# Altium PCB Audio_Research.PcbDoc (part 4 of 4) (continued)
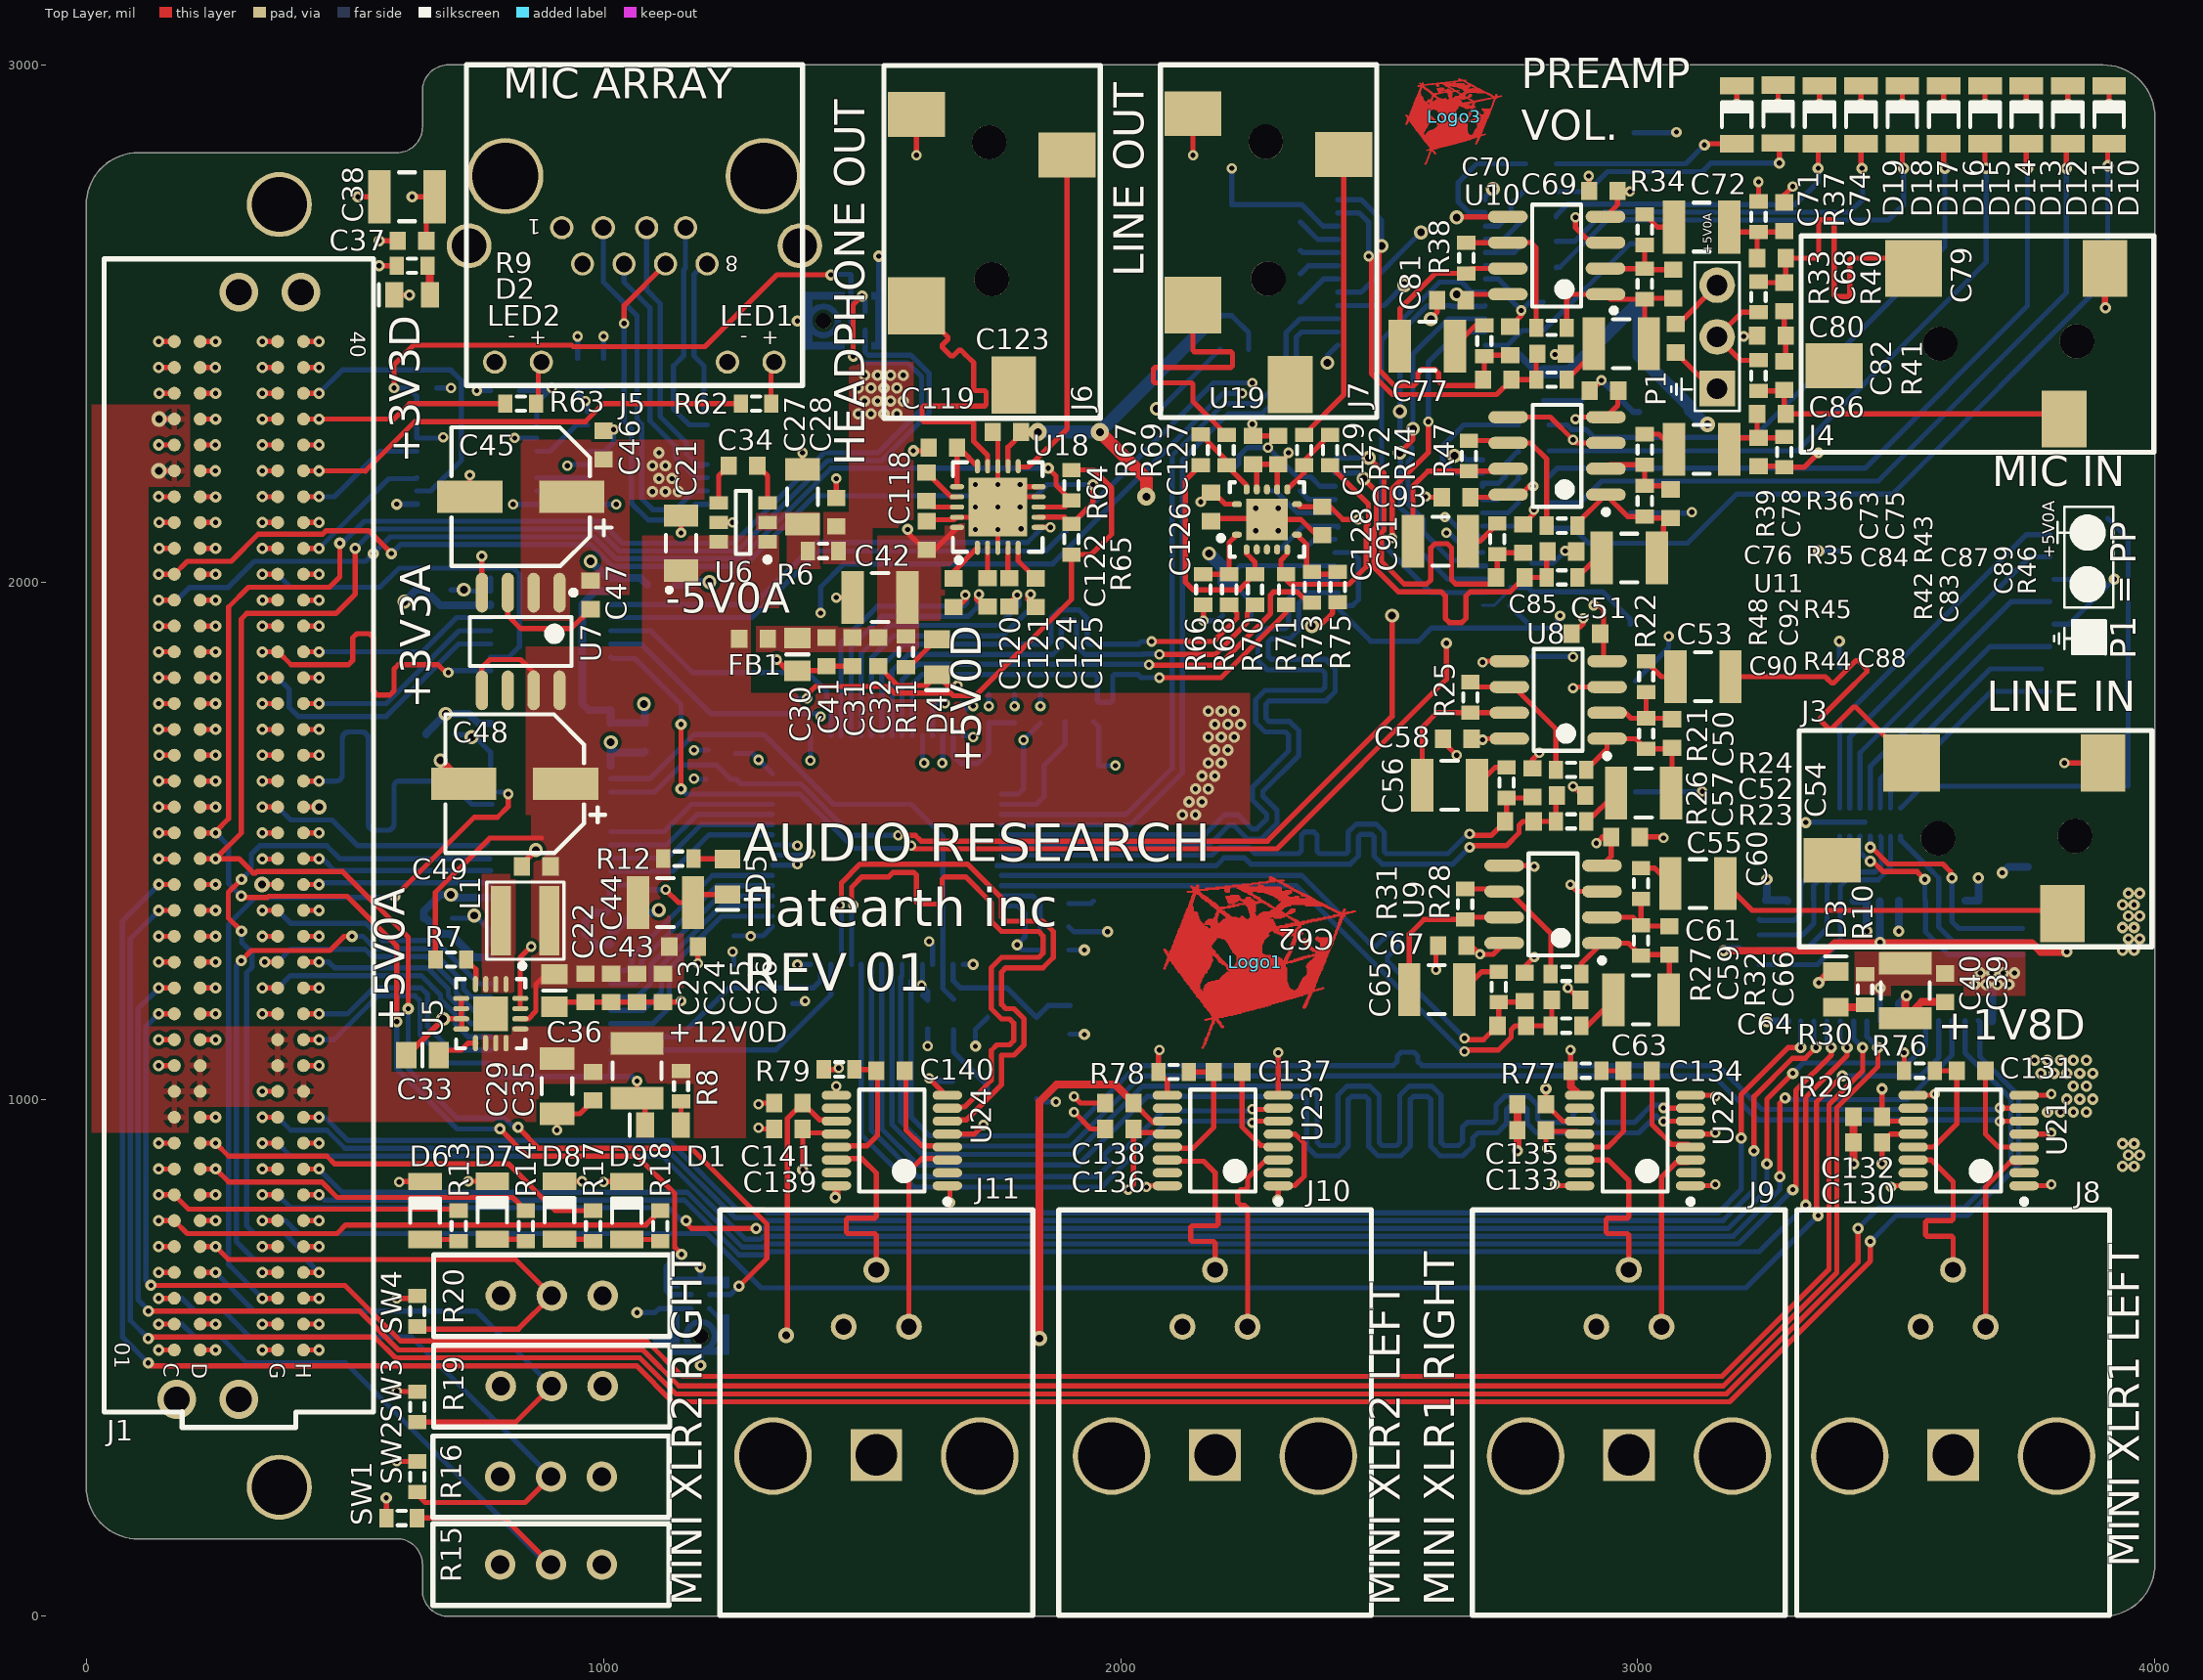
[diagram p0: Top Layer view]
## Nets (pads, with @x,y where several pads share a name; then routed paths per layer and width w, separated by ;. In a path a pad name is that pad's centre, name@x,y a point inside that pad or via, vN(x,y) a via of type N, cw(c..) or ccw(c..) an arc to the next point about the centre after c; other vN are vias at no path point) (continued)
NetR85_1: R85.1 U20.7 U25.10 | length 267.5
  Bottom Layer w10: R85.1@3235.04,1347.56 3237.02,1345.58 3303.02,1345.58 3315.11,1357.67 U25.10@3315.11,1383.14 3315.11,1415.11 3390.63,1490.63 U20.7@3390.63,1508
RIN-: R71.2 R74.2 U19.6 | length 468.8
  Top Layer w10: U19.6@2322.44,2062.87 2322.44,2054.71 2310,2042.27 2310,2015 2329.28,1995.72 2441.36,1995.72 2475,2029.36 2475,2108.2 2479.54,2112.74 2479.54,2150.93 R74.2@2405,2225.47
RJ45_LED1: J1.H35 J2.H35 R62.1 | length 929.6
  Top Layer w10: J1.H35@420,2215 v1(450,2215) 539.37,2215 539.68,2214.68 635,2310 965,2310 1000,2345 R62.1@1265.47,2345
  Bottom Layer w10: J2.H35@420,2215 v1(450,2215)
RJ45_LED2: J1.H37 J2.H37 R63.1 | length 432.9
  Top Layer w10: J1.H37@420,2315 v1(450,2315) 595,2315 625,2345 R63.1@810.47,2345
  Bottom Layer w10: J2.H37@420,2315 v1(450,2315)
SCK: U15.10 U16.7 | length 97.7
  Bottom Layer w10: U16.7@871.14,2176.02 U15.10@968.86,2176.02
SCK_RJ45_n: J5.6 U15.8 | length 689.7
  Top Layer w10: v2(1040,2500) 1040,2534.84 J5.6@1120.16,2615
  Bottom Layer w10: v2(1040,2500) 1040,2310.8 1053.83,2296.97 1053.83,2152.88 1086.72,2120 1147.82,2120 1178.25,2150.43 U15.8@1201.14,2150.43 ; J5.6@1120.16,2599.84 J5.6@1120.16,2615
SCK_RJ45_p: J5.3 U15.7 | length 705.6
  Bottom Layer w10: J5.3@999.68,2685.08 999.68,2580.32 1065,2515 1065,2314.09 1073.83,2305.25 1073.83,2161.17 1095,2140 1139.53,2140 1175.56,2176.02 U15.7@1201.14,2176.02
SCLK: U1.34 U2.6 U13.10 U14.10 | length 2789.2
  Top Layer w10: v3(2540,2250) 2565.51,2275.51 v3(2565.51,2296.42)
  Signal Layer 1 w10: v2(1420,1740) v2(1420,1940)
  Signal Layer 2 w10: v2(2235,2365) 2470,2365 2505,2330 2505,2285 v3(2540,2250)
  Bottom Layer w10: U2.6@1013.89,1880.13 1072.21,1880.13 1206.62,1745.71 1414.29,1745.71 v2(1420,1740) ; v2(1420,1940) 1420,1990 1465,2035 1868.79,2035 2198.79,2365 v2(2235,2365) ; v3(2540,2250) 2541.01,2248.99 2541.01,2144.34 2556.64,2128.71 2556.64,2081.64 2633.01,2005.28 U13.10@2705.91,2005.28 ; v3(2565.51,2296.42) 2565.51,2440.74 2633.87,2509.09 U14.10@2705.43,2509.09
SD: U15.15 U16.4 | length 118.9
  Bottom Layer w10: U16.4@871.14,2252.8 896.48,2252.8 947.66,2303.98 U15.15@968.86,2303.98
SD_CD: J1.G6 J2.G6 U26.5 | length 3714.5
  Top Layer w10: v1(340.24,765) J1.G6@370,765 ; v1(3349,775) 3346,778 3346,995.31 v1(3395.69,1045)
  Bottom Layer w10: v1(340.24,765) J2.G6@370,765 385,765 410,740 1200,740 1305,635 1350,635 3150,635 3209,635 v1(3349,775) ; v1(3395.69,1045) 3546.58,1045 3582.2,1080.62 U26.5@3582.2,1151.65
SD_CLK: J1.G7 J2.G7 U26.6 | length 3573.2
  Top Layer w10: v1(340.24,815) J1.G7@370,815 ; v1(1160,765) 1160,760 1170,750 v1(1295,750) ; v1(3250,875) 3250,1000 v1(3300,1050)
  Bottom Layer w10: v1(340.24,815) J2.G7@370,815 395,790 1126,790 1151,765 v1(1160,765) ; v1(1295,750) 3175,750 3250,825 v1(3250,875) ; v1(3300,1050) 3320,1070 3523.28,1070 3556.61,1103.33 U26.6@3556.61,1151.65
SD_CMD: J1.G9 J2.G9 U26.4 | length 3690.1
  Top Layer w10: v1(340,915) J1.G9@370,915 ; v1(3275,850) 3275,992.56 v1(3285,1002.56)
  Bottom Layer w10: v1(340,915) J2.G9@370,915 395,890 1113.64,890 1274.64,729 1303.7,729 1309.7,735 3185,735 3275,825 v1(3275,850) ; v1(3285,1002.56) 3288.56,999 3521.8,999 3607.8,1085 U26.4@3607.8,1151.65
SD_DAT0: J1.G10 J2.G10 U25.6 | length 3414.2
  Top Layer w10: v1(340.24,965) J1.G10@370,965 ; v1(3225,900) 3225,1005 3299,1079 3324,1079 v1(3345,1100)
  Bottom Layer w10: v1(340.24,965) J2.G10@370,965 395,940 465,940 500,905 1119.85,905 1253.85,771 1303.7,771 1309.7,765 3165,765 3225,825 v1(3225,900) ; U25.6@3340.7,1150.86 3340.7,1104.3 v1(3345,1100)
SD_DAT1: J1.H10 J2.H10 U25.7 | length 3292.5
  Top Layer w10: J1.H10@420,965 v1(449.76,965) ; v1(3200,925) 3200,1008.74 3291.26,1100 v1(3315,1100)
  Bottom Layer w10: J2.H10@420,965 v1(449.76,965) 461.21,965 506.21,920 1126.07,920 1260.07,786 1309.91,786 1315.91,780 3155,780 3200,825 v1(3200,925) ; v1(3315,1100) 3315.11,1100.11 U25.7@3315.11,1150.86
SD_DAT2: J1.H7 J2.H7 U25.4 | length 3417.2
  Top Layer w10: J1.H7@420,815 v1(450,815) ; v1(3325,795) 3325,1004.01 3405,1084.01 v1(3405,1100)
  Bottom Layer w10: J2.H7@420,815 v1(450,815) 460,805 1156.21,805 1262.21,699 1316.12,699 1322.12,705 3235,705 v1(3325,795) ; U25.4@3391.88,1150.86 3391.88,1113.12 v1(3405,1100)
SD_DAT3: J1.H8 J2.H8 U25.5 | length 3378.3
  Top Layer w10: J1.H8@420,865 v1(449.76,865) ; v1(3300,825) 3306,831 3306,1017 3374.36,1085.36 v1(3374.36,1100.11)
  Bottom Layer w10: J2.H8@420,865 v1(449.76,865) 494.76,820 1162.43,820 1268.43,714 1309.91,714 1315.91,720 3195,720 v1(3300,825) ; U25.5@3366.29,1150.86 3366.29,1108.18 v1(3374.36,1100.11)
SD_RJ45_n: J5.8 R61.2 U15.1 | length 330
  Bottom Layer w10: J5.8@1189.09,2603.62 J5.8@1200.47,2615 1195,2615 1175,2595 1175,2437.24 1194.53,2417.72 R61.2@1194.53,2395 1194.53,2329.57 U15.1@1201.14,2329.57
SD_RJ45_p: J5.7 R61.1 U15.2 | length 440.4
  Bottom Layer w10: J5.7@1160,2683.82 J5.7@1158.74,2685.08 1158.74,2607.02 1155,2603.28 1155,2437.24 1135.47,2417.72 R61.1@1135.47,2395 1135.47,2334.39 1165.89,2303.98 U15.2@1201.14,2303.98
SDCD: R86.1 U20.1 U26.12 | length 379.6
  Bottom Layer w10: U20.1@3508.74,1508 3508.74,1501.26 3564,1446 3564.05,1446 3582.2,1427.85 U26.12@3582.2,1383.94 3582.2,1332.8 3610,1305 3744.21,1305 R86.1@3744.54,1304.68
SDI: U1.30 U2.7 U13.8 | length 2377
  Top Layer w10: v1(1150,1600) v1(1150,1725) ; v2(1595,1490) 1601,1484 2302.34,1484 2630,1811.66 v1(2630,1881.65)
  Signal Layer 1 w10: v1(2630,1881.65) v2(2630,2095)
  Bottom Layer w10: U2.7@1013.89,1854.54 1016.5,1851.93 1061.18,1851.93 1150,1763.11 v1(1150,1725) ; v1(1150,1600) 1160.02,1589.98 U1.30@1326.81,1589.98 1380.02,1589.98 1485,1485 1595,1485 v2(1595,1490) ; v2(2630,2095) 2635,2095 2672.95,2057.05 U13.8@2700,2057.05
SDO: R5.2 U1.31 U4.4 U14.11 | length 2542
  Top Layer w10: v2(1570,1510) 1603.28,1510 1614.28,1499 2284,1499 2525,1740 v3(2525,1935) ; v2(2525,2085) 2525,2180 2595,2250 v2(2595,2310)
  Signal Layer 1 w10: v3(2525,1935) v2(2525,2085)
  Bottom Layer w10: U4.4@1013.89,1593.98 1098.98,1593.98 1151,1646 1219,1646 1246.72,1618.28 R5.2@1256.81,1618.28 1265.42,1609.67 U1.31@1326.81,1609.67 1381.55,1609.67 1481.21,1510 v2(1570,1510) ; v2(2595,2310) 2595,2425 2653.5,2483.5 U14.11@2705.43,2483.5
SDO_1: U13.11 U14.8 | length 888.2
  Bottom Layer w10: U14.8@2705.43,2560.28 2679.3,2560.28 2659.73,2579.84 2616.93,2579.84 2505,2467.91 2505,2075 2600.31,1979.69 U13.11@2705.91,1979.69
SPI_FPGA.CCLK_FPGA: J1.G31 J2.G31 U2.18 | length 762.3
  Top Layer w10: v1(340,2015) J1.G31@370,2015
  Bottom Layer w10: v1(340,2015) J2.G31@370,2015 395,1990 567.99,1990 604.93,2026.94 825.5,2026.94 837.56,2014.88 837.56,1875.32 816.77,1854.54 U2.18@781.6,1854.54
SPI_FPGA.CIN_FPGA: J1.G28 J2.G28 U2.17 | length 699
  Top Layer w10: v1(340,1865) J1.G28@370,1865 371.1,1865 396.1,1840 495,1840 507,1840 515,1848 515,1892 523,1900 547,1900 555,1892 555,1840 555,1789.35 563,1781.35 587,1781.35 595,1789.35 595,1832 603,1840 667.5,1840 680,1840 695,1825 v2(700,1825)
  Bottom Layer w10: v1(340,1865) J2.G28@370,1865 ; v2(700,1825) 703.95,1828.95 U2.17@781.6,1828.95
SW1: J1.C2 J2.C2 R15.1 SW1.2 | length 1277.4
  Top Layer w10: v1(140,565) J1.C2@170,565 ; R15.1@639.53,190 808.43,190 SW1.2@898.43,100
  Bottom Layer w10: v1(140,565) J2.C2@170,565 185,565 210,540 260,540 310,490 501.57,490 SW1.2@896.57,95
SW2: J1.C3 J2.C3 R16.1 SW2.2 | length 1223.7
  Top Layer w10: v1(140,615) J1.C3@170,615 ; R16.1@635,240 655,220 848.43,220 SW2.2@898.43,270
  Bottom Layer w10: v1(140,615) J2.C3@170,615 185,615 210,590 266.5,590 316.5,540 628.43,540 SW2.2@898.43,270
SW3: J1.D4 J2.D4 R19.1 SW3.2 | length 1093.5
  Top Layer w10: J1.D4@220,665 v1(250,665) ; R19.1@640,375.47 830.47,375.47 SW3.2@900,445
  Bottom Layer w10: J2.D4@220,665 v1(250,665) ; v1@247.5,667.5 325,590 755,590 SW3.2@900,445
SW4: J1.D5 J2.D5 R20.1 SW4.2 | length 1036.1
  Top Layer w10: J1.D5@220,715 v1(250,715) 275,690 830,690 SW4.2@900,620 835.47,555.47 R20.1@640,555.47
  Bottom Layer w10: J2.D5@220,715 v1(250,715)
uSD_CD: J12.9 U20.16 | length 991.3
  Bottom Layer w10: U20.16@3508.74,1563.12 3550.78,1605.16 J12.9@3948.62,1605.16 3948.62,2083.5 J12.9@3909.25,2122.87
uSD_CLK: J12.5 U20.12 | length 594.8
  Bottom Layer w10: U20.12@3430,1563.12 3430,1670 3721.85,1961.85 J12.5@3797.05,1961.85
uSD_CMD: J12.3 U20.13 | length 523.3
  Bottom Layer w10: U20.13@3449.69,1563.12 3449.69,1642.69 3682.24,1875.24 J12.3@3797.05,1875.24
uSD_DAT0: J12.7 U20.11 | length 668.1
  Bottom Layer w10: U20.11@3410.32,1563.12 3410.32,1700.32 3758.46,2048.46 J12.7@3797.05,2048.46
uSD_DAT1: J12.8 U20.10 | length 723.5
  Bottom Layer w10: U20.10@3390.63,1563.12 3390.63,1730.63 3751.77,2091.77 J12.8@3797.05,2091.77
uSD_DAT2: J12.1 U20.15 | length 419.5
  Bottom Layer w10: U20.15@3489.06,1563.12 3489.06,1594.06 3683.62,1788.62 J12.1@3797.05,1788.62
uSD_DAT3: J12.2 U20.14 | length 456.2
  Bottom Layer w10: U20.14@3469.37,1563.12 3469.37,1619.37 3681.93,1831.93 J12.2@3781.3,1831.93
WS: U15.11 U16.6 | length 97.7
  Bottom Layer w10: U16.6@871.14,2201.61 U15.11@968.86,2201.61
WS_RJ45_n: J5.5 U15.5 | length 526.9
  Bottom Layer w10: J5.5@1083.54,2685.08 1083.54,2564.74 1109.83,2538.45 1109.83,2320.17 1160,2270 1160,2248.57 1181.36,2227.2 U15.5@1201.14,2227.2 ; U15.5@1183.57,2225 U15.5@1192.28,2225
WS_RJ45_p: J5.4 U15.6 | length 493.4
  Bottom Layer w10: J5.4@1039.84,2615 1039.84,2580.16 1089.83,2530.17 1089.83,2311.88 1140,2261.72 1140,2240.28 1178.67,2201.61 U15.6@1201.14,2201.61
XLR1_DSDATA: U1.18 U3.8 | length 442.8
  Bottom Layer w10: U3.8@1013.89,1146.3 1096.3,1146.3 1127.26,1177.26 1127.26,1252.26 1228.76,1353.76 U1.18@1326.81,1353.76
XLR2_DSDATA: U1.15 U3.9 | length 482.2
  Bottom Layer w10: U3.9@1013.89,1120.71 1148.23,1120.71 1242.52,1215 1405.55,1215 1420.11,1229.56 U1.15@1420.11,1260.46
XLR_1_OUT.XLR_1_OUT_L_N: U1.7 U21.6 | length 2593.3
  Top Layer w10: v2(3700,957) 3700.5,957.5 U21.6@3747.28,957.5
  Bottom Layer w10: U1.7@1577.27,1260.46 1577.27,1238.84 1575,1236.57 1575,956.72 1622.57,909.14 1856.14,909.14 1870,909.14 1904.14,909.14 2040,1045 3146.72,1045 3231.72,960 3697,960 v2(3700,957) v2@3696.3,957
XLR_1_OUT.XLR_1_OUT_L_P: U1.6 U21.7 | length 2589.6
  Top Layer w10: v2(3700,983) 3700.5,982.5 U21.7@3747.28,982.5
  Bottom Layer w10: U1.6@1597.27,1260.46 1597.27,1230.56 1595,1228.28 1595,965 1630.86,929.14 1808.14,929.14 1870,929.14 1895.86,929.14 2031.72,1065 2515,1065 2527,1065 2535,1073 2535,1082.95 2543,1090.95 2567,1090.95 2575,1082.95 2575,1073 2583,1065 2600,1065 3155,1065 3240,980 3697,980 v2(3700,983)
XLR_1_OUT.XLR_1_OUT_R_N: U1.9 U22.6 | length 2588.8
  Top Layer w10: v2(3050,957) 3050.5,957.5 U22.6@3102.28,957.5
  Bottom Layer w10: U1.9@1537.9,1260.46 1537.9,942.9 1607.66,873.14 1919.05,873.14 2050.91,1005 2353.86,1005 2360,998.86 2360,908.26 2377.86,890.4 2422.14,890.4 2440,908.26 2440,998.86 2446.14,1005 2473.86,1005 2480,998.86 2480,908.26 2497.86,890.4 2542.14,890.4 2560,908.26 2560,998.86 2566.14,1005 2593.86,1005 2600,998.86 2600,908.26 2617.86,890.4 2662.14,890.4 2681.3,909.56 2681.3,925 2691.3,935 2728.44,935 2746.3,952.86 2746.3,980.19 2752.44,986.34 2780.16,986.34 2786.3,980.19 2786.3,952.86 2804.16,935 3002,935 3035.15,968.15 3046.3,957 v2(3050,957)
XLR_1_OUT.XLR_1_OUT_R_P: U1.8 U22.7 | length 2588.8
  Top Layer w10: v2(3050,983) 3050.5,982.5 U22.7@3102.28,982.5
  Bottom Layer w10: U1.8@1557.9,1260.46 1557.9,951.18 1615.95,893.14 1910.77,893.14 2042.63,1025 2362.14,1025 2380,1007.14 2380,916.55 2386.14,910.4 2413.86,910.4 2420,916.55 2420,1007.14 2437.86,1025 2482.14,1025 2500,1007.14 2500,916.55 2506.14,910.4 2533.86,910.4 2540,916.55 2540,1007.14 2557.86,1025 2602.14,1025 2620,1007.14 2620,916.55 2626.14,910.4 2653.86,910.4 2661.3,917.85 2661.3,945.8 2670.5,955 2691.3,955 2720.16,955 2726.3,961.14 2726.3,988.48 2744.16,1006.34 2788.44,1006.34 2806.3,988.48 2806.3,961.14 2812.44,955 2855,955 2867,955 2875,963 2875,970.52 2883,978.52 2907,978.52 2915,970.52 2915,963 2923,955 2930,955 2993.72,955 3026.87,988.15 3044.85,988.15 v2(3050,983)
XLR_1_OUT_DSDATA_FPGA: J1.G15 J2.G15 U3.16 | length 546.8
  Top Layer w10: v1(340,1215) J1.G15@370,1215
  Bottom Layer w10: v1(340,1215) J2.G15@370,1215 370.83,1215 394.84,1239.02 647.52,1239.02 685,1201.53 685,1193.23 713.5,1164.73 713.5,1145.27 738.06,1120.71 U3.16@781.6,1120.71
XLR_2_OUT.XLR_2_OUT_L_N: U1.11 U23.6 | length 1233.9
  Top Layer w10: v2(2255,954.5) 2258,957.5 2302.5,957.5 U23.6@2305,955
  Bottom Layer w10: U1.11@1498.53,1260.46 1498.53,931.36 1599.89,830 1962.93,830 1984.14,851.21 1992.63,859.69 2090.43,957.5 2252,957.5 v2(2255,954.5)
XLR_2_OUT.XLR_2_OUT_L_P: U1.10 U23.7 | length 1232.7
  Top Layer w10: v2(2255,980.5) 2255.5,980 U23.7@2305,980
  Bottom Layer w10: U1.10@1518.53,1260.46 1518.53,939.64 1608.18,850 1954.65,850 1970,865.35 1978.49,873.84 1978.49,878.08 1968.2,888.36 1968.2,892.61 1985.17,909.58 1989.41,909.58 1999.7,899.29 2003.94,899.29 2032.53,927.88 2082.15,977.5 2252,977.5 v2(2255,980.5)
XLR_2_OUT.XLR_2_OUT_R_N: U1.13 U24.6 | length 1232.2
  Top Layer w10: v2(1457,1375) 1460,1378 1460,1418.28 1496.22,1454.51 1660,1454.51 1680,1454.51 1703.78,1454.51 1770,1388.28 1770,1352.28 1778.14,1344.14 1850.14,1344.14 1870,1324.28 1870,1274 1850.14,1254.14 1778.14,1254.14 1770,1246 1770,1183.14 1778.14,1175 1793.63,1175 1813.49,1155.14 1813.49,1104.86 1793.63,1085 1770,1085 1770,1028.17 1712.69,970.86 1701.83,960 U24.6@1665,960
  Bottom Layer w10: v2(1457,1375) 1460,1372 U1.13@1460,1260.46
XLR_2_OUT.XLR_2_OUT_R_P: U1.12 U24.7 | length 1233.4
  Top Layer w10: v2(1483,1375) 1480,1378 1480,1410 1500,1430 1530,1430 1551.49,1430 1555,1433.51 1560,1438.51 1600,1438.51 1605,1433.51 1605,1430 1605,1382.2 1610,1377.2 1650,1377.2 1655,1382.2 1655,1425 1660,1430 1680,1430 1700,1430 1750,1380 1750,1344 1769.86,1324.14 1841.86,1324.14 1850,1316 1850,1282.28 1841.86,1274.14 1769.86,1274.14 1750,1254.28 1750,1174.86 1769.86,1155 1785.35,1155 1793.49,1146.86 1793.49,1113.14 1785.35,1105 1760.86,1105 1750,1094.14 1750,1036.46 1698.54,985 U24.7@1665,985
  Bottom Layer w10: U1.12@1480,1260.46 1480,1372 v2(1483,1375)
XLR_2_OUT_DSDATA_FPGA: J1.H14 J2.H14 U3.15 | length 498.4
  Top Layer w10: J1.H14@420,1165 v1(449.76,1165)
  Bottom Layer w10: J2.H14@420,1165 v1(449.76,1165) 505,1165 555,1215 647.52,1215 660,1202.52 660,1140 704.88,1095.12 U3.15@781.6,1095.12
pads on no net: J2.C10 J2.C11 J2.D11 J2.D12 J2.G12 J2.G13 J2.H11 J3.0 J3.4 J4.0 J4.4 J6.0 J6.4 J7.0 J7.4 J8.MNT J9.MNT J10.MNT J11.MNT SW1.3 SW2.3 SW3.3 SW4.3 U1.49 U1.50 U1.63 U1.64 U2.8 U2.9 U2.10 U2.14 U2.15 U2.16 U3.3 U3.21 U4.5 U4.6 U4.18 U4.19 U5.17 U7.6 U12. U15.3 U15.4 U15.14 U16.5 U16.12 U17. U19.3 U19.4 U19.5 U19.11 U20.8 U20.9 U21.2 U21.10 U21.15 U22.2 U22.10 U22.15 U23.2 U23.10 U23.15 U24.2 U24.10 U24.15 U26.7 U26.10
copper on no net:
  other v5: 175,419.5 295,419.5 295,2560.5 415,2560.5

## Polygon pours and split planes (outlines as drawn)
+12V0D on Top Layer "+12V0D_L01_P012" (solid, pour order 12): 765,1125 765,1030 1175,1030 1175,925 1275,925 1275,1030 1275,1140 820,1140 820,1125
+5V0A on Top Layer "+5V0A_L01_P004" (solid, pour order 4): 860,1215 1155,1215 1155,1320 1130,1320 1130,1530.93 2250,1530.93 2250,1785 1285,1785 1285,1950 1340,1950 1340,2090 1075,2090 1075,1875 850,1875 850,1550 860,1550
NetL1_1 on Top Layer "NETL1_1_L01_P006" (solid, pour order 6): 765,1205 830,1205 830,1435 765,1435
+3V3A on Top Layer "+3V3A_L01_P016" (solid, pour order 16): 1195,2275 840,2275 840,1925 935,1925 935,1975 1050,1975 1050,2160 1195,2160
+1V8D on Top Layer "+1V8D_L01_P066" (solid, pour order 66): 3420,1200 3490,1200 3490,1220 3630,1220 3630,1200 3750,1200 3750,1285 3420,1285
+12V0D on Top Layer "+12V0D_L01_P064" (solid, pour order 64): 0,2343.37 200,2343.37 200,2184.37 120,2184.37 120,1140.81 590,1140.81 590,1052.33 765,1052.33 765,1095 765,1125 875,1125 875,956.01 468.12,956.01 468.12,985 197.5,985 197.35,935 0,935
+1V8D on Top Layer "+1V8D_L01_P056" (solid, pour order 56): 3755,1175
+5V0D on Top Layer "+5V0D_L01_P002" (solid, pour order 2): 1530,2090 1530,1915 1295,1915 1295,1865 1610,1865 1610,1925 1660,1925 1660,2030 1700,2030 1700,2115 1660,2115 1660,2090
NetC27_2 on Top Layer "NETC27_2_L01_P020" (solid, pour order 20): 1295,2135 1295,2100 1355,2100 1355,2025 1420,2025 1420,2135
-5V0A on Top Layer "-5V0A_L01_P018" (solid, pour order 18): 1425,2135 1425,2035 1520,2035 1520,2105 1600,2105 1600,2425 1475,2425 1475,2135
no net on Top Layer "Top Layer-No Net" (solid, pour order 0): 1625,2090
AGND on Signal Layer 2 "AGND_L03_P026" (solid, pour order 26): 850,1150 850,2300 1475,2300 1475,3000 4000,3000 4000,0 1275,0 1275,750 1433.54,750 1433.54,1750 1433.54,1925 1125,1925 1125,1150
AGND on Signal Layer 2 "AGND_L03_P028" (solid, pour order 28): 0,3000 1450,3000 1450,2325 825,2325 825,1120 830,1125 1150,1125 1150,1927.98 1244.49,1927.98 1244.49,1900 1410.7,1900 1410.7,1775 1410.7,775 1250,775 1250,0 0,0
+5V0A on Signal Layer 1 "+5V0A_L02_P044" (solid, pour order 44): 1220,390 1220,875 2010,875 2010,2205 2490,2205 2490,2635 3210,2635 3210,2345 2805,2345 2805,935 3515,935 3515,390
+1V8D on Signal Layer 1 "+1V8D_L02_P034" (solid, pour order 34): 0,1990 0,0 4000,0 4000,934.57 3525,935.05 3525,380 1210,380 1210,875 865,875 865,2265 745,2265 745,2490 305,2490 305,1990
+3V3A on Signal Layer 1 "+3V3A_L02_P040" (solid, pour order 40): 1425,890 2000,890 2000,2275 1060,2275 1060,1810 1425,1810
+3V3D on Signal Layer 1 "+3V3D_L02_P050" (solid, pour order 50): 0,2000 0,3000 4000,2999.99 4000,1270 3910,1270 3910,2885 1050,2885 1050,1800 1415,1800 1415,890 875,890 875,2275 755,2275 755,2500 295,2500 295,2000
-5V0A on Signal Layer 1 "-5V0A_L02_P046" (solid, pour order 46): 1060,2875 1060,2285 2010,2285 2010,2215 2480,2215 2480,2645 3220,2645 3220,2335 2815,2335 2815,945 3900,945 3900,2875
+3V3D on Bottom Layer "+3V3D_L04_P070" (solid, pour order 70): 3675.93,1415 3675.93,1351.69 3764.22,1351.69 3764.22,1270 4000,1270 4000,1415
+1V8D on Bottom Layer "+1V8D_L04_P074" (solid, pour order 74): 3910,850 3910,1099.66 3750,1099.66 3750,1187.02 3630,1187.02 3630,1260 3750,1260 4000,1260 4000,850
no net on Bottom Layer "NONET_L04_P072" (solid, pour order 72): 3916,934.57
+3V3D on Bottom Layer "+3V3D_L04_P068" (solid, pour order 68): 3215,1415 3215,1225 3125,1225 3125,1415
+1V8D on Bottom Layer "+1V8D_L04_P058" (solid, pour order 58): 3275,1375
-5V0A on Bottom Layer "-5V0A_L04_P054" (solid, pour order 54): 1300,560 1300,0 3900,0 3900,1090 3750,1090 3750,560

## Silkscreen, mask and mechanical layers (free items; w line width, h text height)
Top Overlay:
  circle w50: c3870.08,2095.55 r10
  circle w50: c3870.08,1995.55 r10
  lines w5: 3065,2367.56 3065,2377.56 ; 3075,2362.56 3075,2382.56 ; 3085,2352.56 3085,2392.56 ; 3085,2372.56 3105,2372.56 ; 3805.08,1885.55 3805.08,1895.55 ; 3811.69,2075.55 3811.69,2115.55 ; 3811.69,2095.55 3861.69,2095.55 ; 3815.08,1880.55 3815.08,1900.55 ; 3825.08,1870.55 3825.08,1910.55 ; 3825.08,1890.55 3840.08,1890.55 ; 3844.08,1860.55 3844.08,1925.55 ; 3848.08,1860.55 3848.08,1925.55 ; 3852.08,1860.55 3852.08,1925.55 ; 3856.08,1860.55 3856.08,1925.55 ; 3860.08,1860.55 3860.08,1925.55 ; 3864.08,1860.55 3864.08,1925.55 ; 3868.08,1860.55 3868.08,1925.55 ; 3872.08,1860.55 3872.08,1925.55 ; 3876.08,1860.55 3876.08,1925.55 ; 3880.08,1860.55 3880.08,1925.55 ; 3884.08,1860.55 3884.08,1925.55 ; 3888.08,1860.55 3888.08,1925.55 ; 3890.08,1860.55 3890.08,1925.55 ; 3891.08,1860.55 3891.08,1925.55 ; 3895.08,1860.55 3895.08,1925.55 ; 3899.08,1860.55 3899.08,1925.55 ; 3901.08,1860.55 3901.08,1925.55 ; 3904.91,1860.39 3905.08,1860.55 ; 3905.08,1860.55 3840.08,1860.55 3840.08,1925.55 3905.08,1925.55 3905.08,1860.55 ; 3825.08,1950.55 3825.08,2145.55 3920.08,2145.55 3920.08,1950.55 3825.08,1950.55
  text "MIC ARRAY" at 805,2915 h100
  text "PREAMP  / VOL." at 2775,2835 h100
  text "+5V0A" at 3149,2635 h28 r90
  text "LINE OUT" at 2065,2590 h100 r90
  text "+3V3D" at 664.45,2230 h100 r90
  text "HEADPHONE OUT" at 1525,2225 h100 r90
  text "MIC IN" at 3685,2165 h100
  text "+5V0A" at 3815.08,2045.55 h40 r90
  text "-5V0A" at 1120,1920 h100
  text "P1 = PP" at 3980.08,1850.55 h85 r90
  text "+3V3A" at 685,1755 h100 r90
  text "LINE IN" at 3675,1730 h100
  text "+5V0D" at 1750,1630 h100 r90
  text "AUDIO RESEARCH  / flatearth inc / REV 01" at 1270,1185 h125
  text "+5V0A" at 635,1130 h100 r90
  text "+12V0D" at 1125,1110 h40
  text "+1V8D" at 3580,1095 h100
  text "MINI XLR1 LEFT" at 3990,95 h100 r90
  text "MINI XLR2 RIGHT" at 1210,20 h100 r90
  text "MINI XLR2 LEFT" at 2560,20 h100 r90
  text "MINI XLR1 RIGHT" at 2665,20 h100 r90
Bottom Overlay:
  lines w5: 2080,2495.01 2100,2495 ; 2090,2485 2090,2505 ; 2305,2000.01 2325,2000 ; 2315,1990 2315,2010 ; 2865,1590.01 2885,1590 ; 2870,2294.69 2890,2294.68 ; 2875,1580 2875,1600 ; 2880,2284.68 2880,2304.68 ; 3100,2155.01 3120,2155 ; 3105,2890.01 3125,2890 ; 3110,2145 3110,2165 ; 3115,2880 3115,2900
  text "Audio Research Rev 1.0" at 3925,2755 h50
BoardOutline:
  lines w10: 100,149.65 cw(c100,249.65) 0,249.65 0,2729.96 cw(c100,2729.96) 100,2829.96 ; 100,150 600,150 cw(c600,100) 650,100 650,50 ccw(c700,50) 700,0 3900,0 ccw(c3900,100) 4000,100 4000,2900 ccw(c3900,2900) 3900,3000 700,3000 ccw(c700,2950) 650,2950 650,2880 cw(c600,2880) 600,2830 100,2830
Drill Drawing:
  drawing of 183 lines, arcs and shapes, not listed
  text "Symbol" at 4617.5,2382.5 h72
  text "Count" at 5123.38,2382.5 h72
  text "Hole Size" at 5723.22,2382.5 h72
  text "Plated" at 6872.88,2382.5 h72
  text "Hole Type" at 7378.76,2382.5 h72
  text "Drill Layer Pair" at 8112.56,2382.5 h72
  text "Via/Pad" at 9612.11,2382.5 h72
  text "Pad Shape" at 10201.96,2382.5 h72
  text "Template" at 10947.76,2382.5 h72
  text "Description" at 11817.51,2382.5 h72
  text "Hole Tolerance (+)" at 12671.27,2382.5 h72
  text "Hole Tolerance (-)" at 14004.88,2382.5 h72
  text "Hole Length" at 15338.49,2382.5 h72
  text "Routed Path Length" at 16204.25,2382.5 h72
  text "2" at 5123.38,2232.5 h60
  text "30.00mil (0.762mm)" at 5723.22,2232.5 h60
  text "NPTH" at 6872.88,2232.5 h60
  text "Round" at 7378.76,2232.5 h60
  text "Top Layer - Bottom Layer" at 8112.56,2232.5 h60
  text "Pad" at 9612.11,2232.5 h60
  text "Rounded" at 10201.96,2232.5 h60
  text "c76hn76m76p76" at 10947.76,2232.5 h60
  text "-" at 15338.49,2232.5 h60
  text "-" at 16204.25,2232.5 h60
  text "2" at 5123.38,2082.5 h60
  text "66.93mil (1.700mm)" at 5723.22,2082.5 h60
  text "PTH" at 6872.88,2082.5 h60
  text "Round" at 7378.76,2082.5 h60
  text "Top Layer - Bottom Layer" at 8112.56,2082.5 h60
  text "Pad" at 9612.11,2082.5 h60
  text "Rounded" at 10201.96,2082.5 h60
  text "c220h170" at 10947.76,2082.5 h60
  text "-" at 15338.49,2082.5 h60
  text "-" at 16204.25,2082.5 h60
  text "2" at 5123.38,1932.5 h60
  text "106.30mil (2.700mm)" at 5723.22,1932.5 h60
  text "NPTH" at 6872.88,1932.5 h60
  text "Round" at 7378.76,1932.5 h60
  text "Top Layer - Bottom Layer" at 8112.56,1932.5 h60
  text "Pad" at 9612.11,1932.5 h60
  text "Rounded" at 10201.96,1932.5 h60
  text "c320hn270" at 10947.76,1932.5 h60
  text "-" at 15338.49,1932.5 h60
  text "-" at 16204.25,1932.5 h60
  text "2" at 5123.38,1782.5 h60
  text "127.95mil (3.250mm)" at 5723.22,1782.5 h60
  text "PTH" at 6872.88,1782.5 h60
  text "Round" at 7378.76,1782.5 h60
  text "Top Layer - Bottom Layer" at 8112.56,1782.5 h60
  text "Pad" at 9612.11,1782.5 h60
  text "Rounded" at 10201.96,1782.5 h60
  text "c375h325" at 10947.76,1782.5 h60
  text "-" at 15338.49,1782.5 h60
  text "-" at 16204.25,1782.5 h60
  text "3" at 5123.38,1632.5 h60
  text "40.16mil (1.020mm)" at 5723.22,1632.5 h60
  text "PTH" at 6872.88,1632.5 h60
  text "Round" at 7378.76,1632.5 h60
  text "Top Layer - Bottom Layer" at 8112.56,1632.5 h60
  text "Pad" at 9612.11,1632.5 h60
  text "(Mixed)" at 10201.96,1632.5 h60
  text "(Mixed)" at 10947.76,1632.5 h60
  text "-" at 15338.49,1632.5 h60
  text "-" at 16204.25,1632.5 h60
  text "4" at 5123.38,1482.5 h60
  text "50.00mil (1.270mm)" at 5723.22,1482.5 h60
  text "PTH" at 6872.88,1482.5 h60
  text "Round" at 7378.76,1482.5 h60
  text "Top Layer - Bottom Layer" at 8112.56,1482.5 h60
  text "Via" at 9612.11,1482.5 h60
  text "Rounded" at 10201.96,1482.5 h60
  text "v190h127m0mx0" at 10947.76,1482.5 h60
  text "-" at 15338.49,1482.5 h60
  text "-" at 16204.25,1482.5 h60
  text "4" at 5123.38,1332.5 h60
  text "80.00mil (2.032mm)" at 5723.22,1332.5 h60
  text "PTH" at 6872.88,1332.5 h60
  text "Round" at 7378.76,1332.5 h60
  text "Top Layer - Bottom Layer" at 8112.56,1332.5 h60
  text "Pad" at 9612.11,1332.5 h60
  text "Rectangle" at 10201.96,1332.5 h60
  text "s254h203" at 10947.76,1332.5 h60
  text "-" at 15338.49,1332.5 h60
  text "-" at 16204.25,1332.5 h60
  text "8" at 5123.38,1182.5 h60
  text "66.93mil (1.700mm)" at 5723.22,1182.5 h60
  text "NPTH" at 6872.88,1182.5 h60
  text "Round" at 7378.76,1182.5 h60
  text "Top Layer - Bottom Layer" at 8112.56,1182.5 h60
  text "Pad" at 9612.11,1182.5 h60
  text "Rounded" at 10201.96,1182.5 h60
  text "c170hn170" at 10947.76,1182.5 h60
  text "-" at 15338.49,1182.5 h60
  text "-" at 16204.25,1182.5 h60
  text "8" at 5123.38,1032.5 h60
  text "130.00mil (3.302mm)" at 5723.22,1032.5 h60
  text "PTH" at 6872.88,1032.5 h60
  text "Round" at 7378.76,1032.5 h60
  text "Top Layer - Bottom Layer" at 8112.56,1032.5 h60
  text "Pad" at 9612.11,1032.5 h60
  text "Rounded" at 10201.96,1032.5 h60
  text "c381h330" at 10947.76,1032.5 h60
  text "-" at 15338.49,1032.5 h60
  text "-" at 16204.25,1032.5 h60
  text "12" at 5123.38,882.5 h60
  text "31.00mil (0.787mm)" at 5723.22,882.5 h60
  text "PTH" at 6872.88,882.5 h60
  text "Round" at 7378.76,882.5 h60
  text "Top Layer - Bottom Layer" at 8112.56,882.5 h60
  text "Pad" at 9612.11,882.5 h60
  text "Rounded" at 10201.96,882.5 h60
  text "c127h79" at 10947.76,882.5 h60
  text "-" at 15338.49,882.5 h60
  text "-" at 16204.25,882.5 h60
  text "12" at 5123.38,732.5 h60
  text "31.50mil (0.800mm)" at 5723.22,732.5 h60
  text "PTH" at 6872.88,732.5 h60
  text "Round" at 7378.76,732.5 h60
  text "Top Layer - Bottom Layer" at 8112.56,732.5 h60
  text "Pad" at 9612.11,732.5 h60
  text "Rounded" at 10201.96,732.5 h60
  text "c114h80" at 10947.76,732.5 h60
  text "-" at 15338.49,732.5 h60
  text "-" at 16204.25,732.5 h60
  text "12" at 5123.38,582.5 h60
  text "35.43mil (0.900mm)" at 5723.22,582.5 h60
  text "PTH" at 6872.88,582.5 h60
  text "Round" at 7378.76,582.5 h60
  text "Top Layer - Bottom Layer" at 8112.56,582.5 h60
  text "Pad" at 9612.11,582.5 h60
  text "Rounded" at 10201.96,582.5 h60
  text "c150h90" at 10947.76,582.5 h60
  text "-" at 15338.49,582.5 h60
  text "-" at 16204.25,582.5 h60
  text "42" at 5123.38,432.5 h60
  text "15.00mil (0.381mm)" at 5723.22,432.5 h60
  text "PTH" at 6872.88,432.5 h60
  text "Round" at 7378.76,432.5 h60
  text "Top Layer - Bottom Layer" at 8112.56,432.5 h60
  text "Via" at 9612.11,432.5 h60
  text "Rounded" at 10201.96,432.5 h60
  text "(Mixed)" at 10947.76,432.5 h60
  text "-" at 15338.49,432.5 h60
  text "-" at 16204.25,432.5 h60
  text "539" at 5123.38,282.5 h60
  text "10.00mil (0.254mm)" at 5723.22,282.5 h60
  text "PTH" at 6872.88,282.5 h60
  text "Round" at 7378.76,282.5 h60
  text "Top Layer - Bottom Layer" at 8112.56,282.5 h60
  text "Via" at 9612.11,282.5 h60
  text "Rounded" at 10201.96,282.5 h60
  text "(Mixed)" at 10947.76,282.5 h60
  text "-" at 15338.49,282.5 h60
  text "-" at 16204.25,282.5 h60
  text "652 Total" at 5123.38,132.5 h60

## Dimensions
600,2830 to 700,3000 on Dimensions
100,149.65 to 600,150 on Dimensions
100,2830 to 100,150 on Dimensions
0,249.65 to 4000,100 on Dimensions
0,249.65 to 650,50 on Dimensions
3900,3000 to 3900,0 on Dimensions

## Text inside footprints (layer, text, board x,y; h text height)
J1: Top Overlay "C" at 149.33,490 h30 r270; Top Overlay "D" at 204.45,490 h30 r270; Top Overlay "G" at 354.06,490 h30 r270; Top Overlay "H" at 405.24,490 h30 r270; Top Overlay "40" at 510,2485 h30 r270; Top Overlay "01" at 55,530 h30 r270
J2: Bottom Overlay "C" at 184.76,490 h30 r90; Bottom Overlay "D" at 235.94,490 h30 r90; Bottom Overlay "G" at 385.55,490 h30 r90; Bottom Overlay "H" at 432.8,490 h30 r90; Bottom Overlay "40" at 80,2500 h30 r90; Bottom Overlay "01" at 530,535 h30 r90
J5: Top Overlay "+  -" at 1339.45,2485.08 h30 r180; Top Overlay "+  -" at 890.63,2485.08 h30 r180; Top Overlay "LED1" at 1225,2495 h40; Top Overlay "LED2" at 775,2495 h40; Top Overlay "1" at 878.82,2701.61 h30 r180; Top Overlay "8" at 1260.71,2630.75 h30 r180
U12: Mechanical 15 "No Exposed / Copper" at 1510.98,2449.88 h6.69; Mechanical 15 "No Exposed / Copper" at 1510.98,2546.34 h6.69
U17: Mechanical 15 "No Exposed / Copper" at 1242.83,627.48 h6.69 r90; Mechanical 15 "No Exposed / Copper" at 1146.38,627.48 h6.69 r90